# Altium PCB stm32最小系统.PcbDoc
Units mil, origin at the board's own origin, x right, y up, seen from the top; angles counter-clockwise.
Board outline 787.4 x 2003.94 mil, 2 copper layers (Top Layer, Bottom Layer); 35 components, 50 nets, 168 pads, 68 vias.
Unrouted connection lines stored in the file: 1.
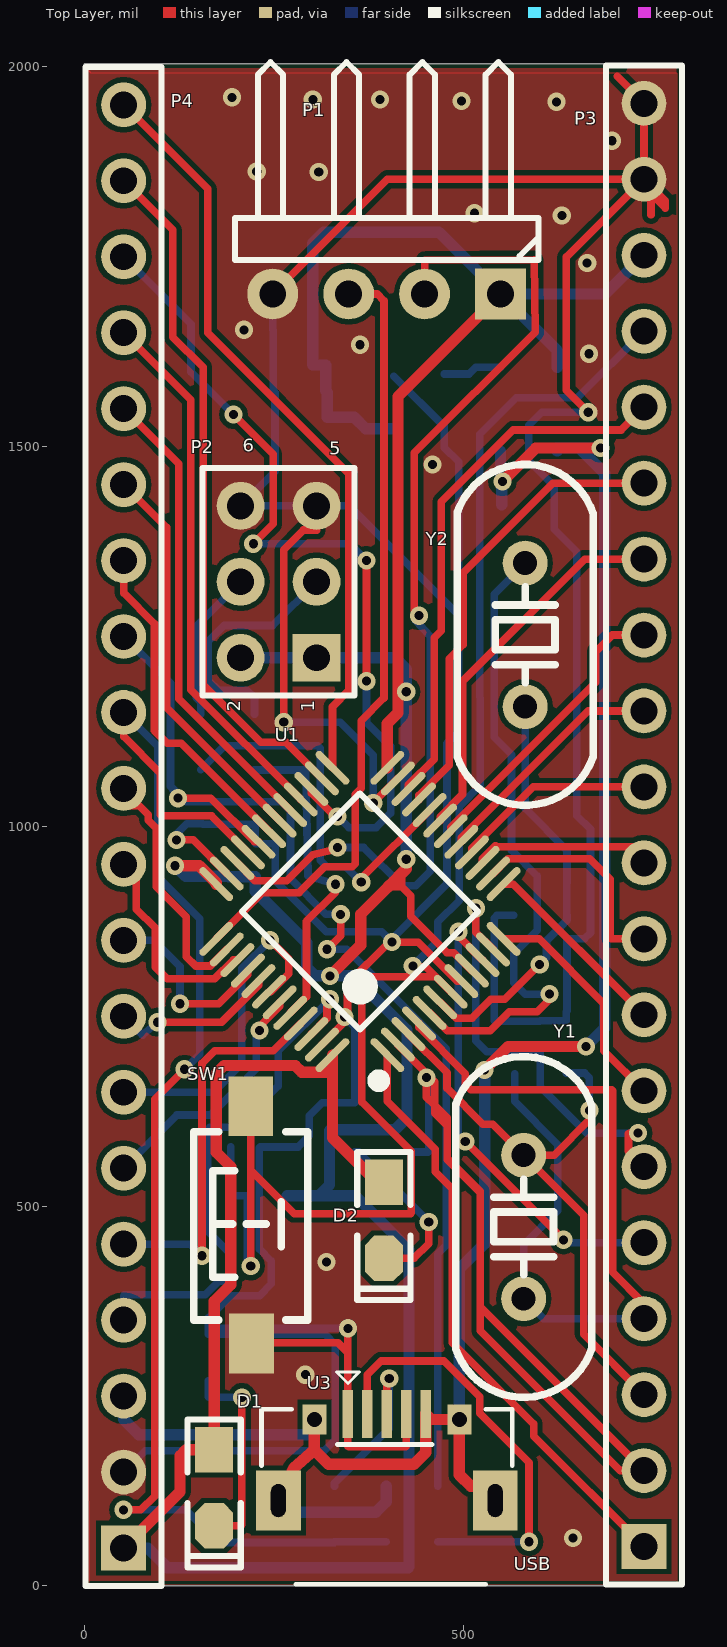
[diagram p0: Top Layer view]
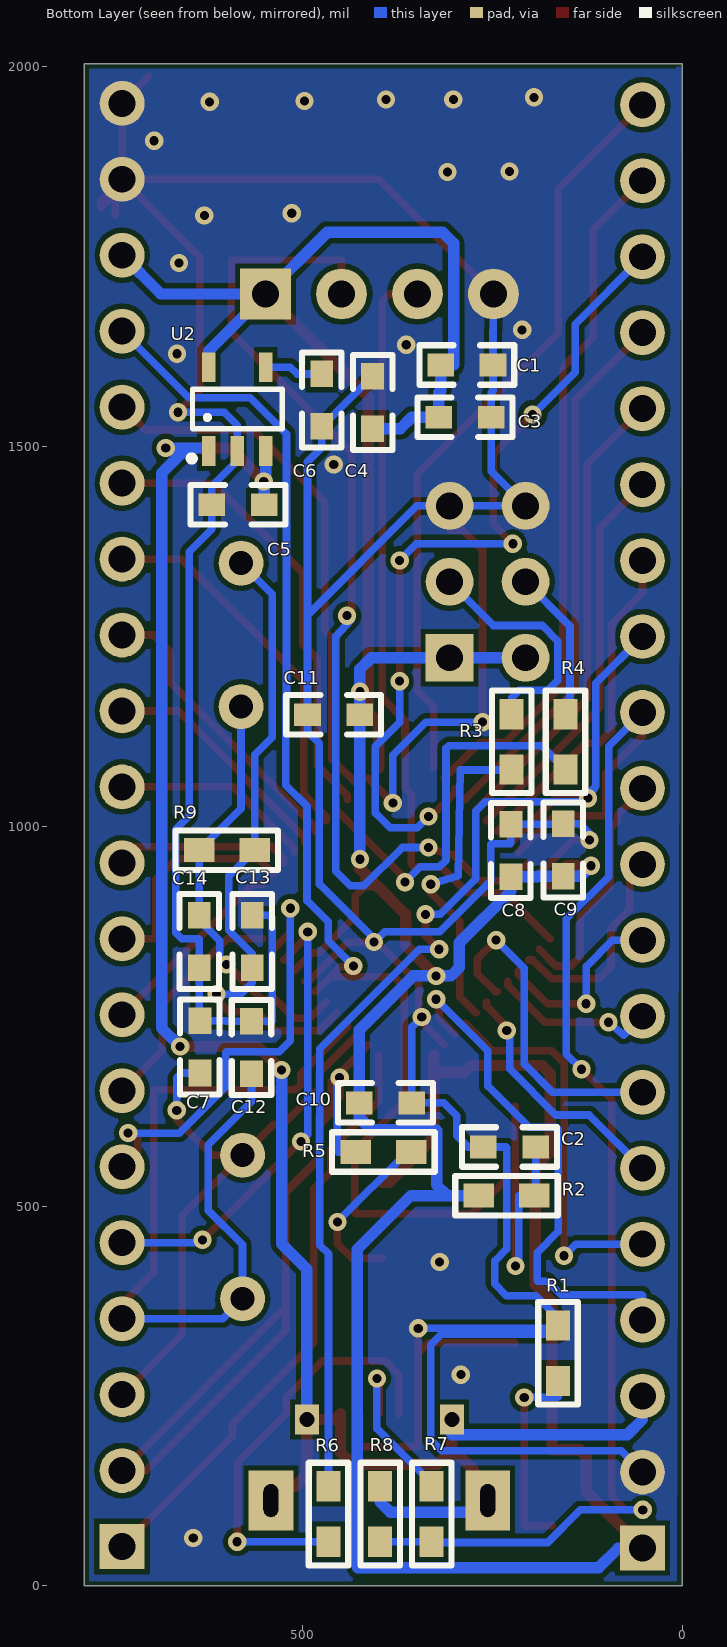
[diagram p1: Bottom Layer view, seen from below]

## Layer stack, top to bottom
Top Solder: solder mask 0.4, Solder Resist, Dk 3.5
Top Layer: signal copper 1.4
Dielectric 1: dielectric 12.6, FR-4, Dk 4.8
Bottom Layer: signal copper 1.4
Bottom Solder: solder mask 0.4, Solder Resist, Dk 3.5

## Board outline
0,0 787.4,0 787.4,2003.94 0,2003.94

## Design rules (kind name [scope] priority, off if disabled: settings)
Clearance [All] p1: gap=6 ignorepadtopadclearanceinfootprint=FALSE except(7: Arc-Poly Track-Poly SMDPad-Poly THPad-Poly Via-Poly Fill-Poly Poly-Poly)
HoleToHoleClearance [All] p1: gap=0 allowstackedmicrovias=TRUE
MinimumSolderMaskSliver [All] p1: minsoldermaskwidth=0
PolygonConnect [All] p1: connectstyle=Direct reliefconductorwidth=10 reliefentries=4 polygonreliefangle="90 Angle" airgapwidth=10
RoutingVias [All] p1: holewidth=12 width=24 viastyle="Through Hole" minholewidth=10 minwidth=20 maxholewidth=13 maxwidth=30
RoutingVias RoutingVias_1 [All] p2: holewidth=12 width=24 viastyle="Through Hole" minholewidth=10 minwidth=12 maxholewidth=13 maxwidth=25
SilkToSilkClearance [All] p1: silktosilkclearance=0
SilkToSolderMaskClearance [IsPad] p1: minsilkscreentomaskgap=0 clearancetoexposedcopper=TRUE
SolderMaskExpansion [All] p1: expansion=4
Width Width_1 [(InNet('5V') OR InNet('VCC3V3'))] p1: maxlimit=20 minlimit=10 preferedwidth=15
Width [All] p2: maxlimit=20 minlimit=5 preferedwidth=10
26 further rules are at their usual default settings.

## Classes and differential pairs
net class NO_GND: 5V BOOT0 BOOT1 NetC6_2 NetD1_2 NetD2_2 NetP2_3 NetP2_4 NetR6_1 NetR7_1 OSCIN OSCOUT PA0 PA1 PA2 PA3 PA4 PA5 PA6 PA7 PA8 PA9 PA10 PA11 PA12 PA15 PB0 PB1 PB3 PB4 PB5 PB6 PB7 PB8 PB9 PB10 PB11 PB12 PB13 PB14 PB15 PC13 PC14 PC15 RESET SWDCLK SWDIO VBAT VCC3V3

## Components (designator, comment, footprint, x,y, rotation, side; value= is the part's Value field where it differs from the comment)
C1 "105,0603" "C 0603" 284.02,1607.28 r0 bottom value=104
C2 "105,0603" "C 0603" 226.91,577.76 r180 bottom value=104
C3 "105,0603" "C 0603" 286.42,1538.39 r0 bottom value=104
C4 "105,0603" "C 0603" 407.48,1557.52 r270 bottom value=104
C5 "105,0603" "C 0603" 584.09,1423.23 r180 bottom value=104
C6 "105,0603" "C 0603" 474.41,1561.47 r90 bottom value=104
C7 "22P,0603" "C 0603" 634.84,710.09 r90 bottom value=104
C8 "105,0603" "C 0603" 225.39,967.52 r270 bottom value=104
C9 "105,0603" "C 0603" 156.5,968.06 r270 bottom value=104
C10 "105,0603" "C 0603" 391.2,635.83 r0 bottom value=104
C11 "105,0603" "C 0603" 458.21,1146.65 r180 bottom value=104
C12 "22P,0603" "C 0603" 566.93,709.11 r90 bottom value=104
C13 "22P,0603" "C 0603" 565.94,848.87 r90 bottom value=104
C14 "22P,0603" "C 0603" 635.83,847.98 r270 bottom value=104
D1 "LED" "LED 0805G" 171.26,129.13 r270 top
D2 "LED" "LED 0805G" 394.68,481.1 r270 top
P1 "SWD" HDR-1X4_H 548.43,1700.79 r180 top
P2 "Header 3X2" HDR-3X2 306.1,1221.85 r90 top
P3 "Header 20" HDR1X20 737.2,51.77 r90 top
P4 "Header 20" HDR1X20 52.17,49.8 r90 top
R1 "10K,0603" "R 0603" 163.39,306.18 r90 bottom
R2 "10K,0603" "R 0603" 231.22,513.78 r0 bottom
R3 "10K,0603" "R 0603" 224.41,1111.14 r90 bottom
R4 "10K,0603" "R 0603" 153.54,1111.14 r270 bottom
R5 "10K,0603" "R 0603" 393.18,571.1 r0 bottom
R6 "20R,0603" "R 0603" 465.55,94.49 r90 bottom
R7 "20R0603" "R 0603" 329.72,94.49 r270 bottom
R8 "4.7K,0603" "R 0603" 397.64,94.49 r270 bottom
R9 "1M0603" "R 0603" 599.33,968.5 r180 bottom
SW1 "SW-PB_V" "TSW SMD-3*6*2.5" 219.49,476.38 r90 top
U1 "stm32f103c8t6_48pin" "TQFP48 7x7_L" 363.19,887.8 r45 top
U2 "RT9193" SOT23-5L 585.63,1549.21 r180 bottom
U3 "USB-mrico" USB-micro_B 398.62,112.2 r0 top
Y1 "32.768K" "XTAL-49S DIP" 578.74,472.44 r90 top
Y2 "8M" "XTAL-49S DIP" 580.71,1251.97 r90 top

## Footprints (in the part's own frame and the unit in brackets; to place one, negate y for a bottom-side part, rotate by r counter-clockwise, add the part's x,y. Pads: shape width x height; smd on the part's side, far side on the other; paste and mask are expansions set on the pad)
"C 0603" [mil] "无极性贴片电容"
  rect 35x30 smd: 1(-35,0) 2(34,0)
  silkscreen extent -63,-26 62,26, body extent -31,-16 31,16, height 32
HDR1X20 [mm] "Connector; Header; 20 Position"
  rect 1.5x1.5 hole 0.9: 1(0,0)
  round 1.5 hole 0.9: 2(2.54,0) 3(5.08,0) 4(7.62,0) 5(10.16,0) 6(12.7,0) 7(15.24,0) 8(17.78,0) 9(20.32,0) 10(22.86,0) 11(25.4,0) 12(27.94,0) 13(30.48,0) 14(33.02,0) 15(35.56,0) 16(38.1,0) 17(40.64,0) 18(43.18,0) 19(45.72,0) 20(48.26,0)
  silkscreen extent -1.27,-1.27 49.53,1.27
HDR-1X4_H [mm] "弯脚排针，4脚"
  rect 1.7x1.7 hole 0.9: 1(0,0)
  round 1.7 hole 0.9: 2(2.54,0) 3(5.08,0) 4(7.62,0)
  silkscreen extent -1.27,-7.76 8.89,-1.14, body extent -1.27,-7.77 8.89,1.27, height 4.85
HDR-3X2 [mm] "双排排针，3x2脚"
  rect 1.6x1.6 hole 0.9: 1(0,0)
  round 1.6 hole 0.9: 2(0,2.54) 3(2.54,0) 4(2.54,2.54) 5(5.08,0) 6(5.08,2.54)
  silkscreen extent -1.27,-1.27 6.35,3.81, body extent -1.27,-1.27 6.35,3.81, height 8.5
"LED 0805G" [mil] "绿色0805LED"
  rect 60x50 smd: 1(-50,0)
  oct 60x50 smd: 2(50,0)
  silkscreen extent -90,-35 105,35, body extent -39,-25 39,25, height 32
"R 0603" [mil] "1/10W贴片电阻"
  rect 40x31.5 smd: 1(-36.5,0) 2(36.5,0)
  silkscreen extent -67,-26 68,26, body extent -31,-16 31,16, height 16
SOT23-5L [mm] "3x1.6x1.1mm(长宽高)"
  rect 0.45x1 smd: 1(-0.95,-1.4) 2(0,-1.4) 3(0.95,-1.4) 4(0.95,1.4) 5(-0.95,1.4)
  silkscreen extent -1.6,-1.73 1.5,0.66, body extent -1.5,-1.4 1.5,1.4, height 1.15
"TQFP48 7x7_L" [mm] "48脚，体宽：7x7mm, 脚距：0.5mm"
  oval 0.25x1.5 smd: 1(-2.75,-4.046) 2(-2.25,-4.046) 3(-1.75,-4.046) 4(-1.25,-4.046) 5(-0.75,-4.046) 6(-0.25,-4.046) 7(0.25,-4.046) 8(0.75,-4.046) 9(1.25,-4.046) 10(1.75,-4.046) 11(2.25,-4.046) 12(2.75,-4.046) 25(2.75,4.046) 26(2.25,4.046) 27(1.75,4.046) 28(1.25,4.046) 29(0.75,4.046) 30(0.25,4.046) 31(-0.25,4.046) 32(-0.75,4.046) 33(-1.25,4.046) 34(-1.75,4.046) 35(-2.25,4.046) 36(-2.75,4.046)
  oval 1.5x0.25 smd: 13(4.046,-2.75) 14(4.046,-2.25) 15(4.046,-1.75) 16(4.046,-1.25) 17(4.046,-0.75) 18(4.046,-0.25) 19(4.046,0.25) 20(4.046,0.75) 21(4.046,1.25) 22(4.046,1.75) 23(4.046,2.25) 24(4.046,2.75) 37(-4.046,2.75) 38(-4.046,2.25) 39(-4.046,1.75) 40(-4.046,1.25) 41(-4.046,0.75) 42(-4.046,0.25) 43(-4.046,-0.25) 44(-4.046,-0.75) 45(-4.046,-1.25) 46(-4.046,-1.75) 47(-4.046,-2.25) 48(-4.046,-2.75)
  silkscreen extent -3.68,-4.57 2.79,2.79, body extent -4.5,-4.5 4.5,4.5, height 1.05
"TSW SMD-3*6*2.5" [mm] "3*6*2.5mm"
  rect 2x1.5 smd: 1(-3.996,-0.02) 2(3.937,0)
  silkscreen extent -3.21,-1.9 3.09,1.9, body extent -4,-1.88 4,1.62, height 2.59
USB-micro_B [mm] "micro型USB ，5.7*7.8*2.5mm"
  rect 0.35x1.6 smd: 1(-1.3,2.9) 2(-0.65,2.9) 3(0,2.9) 4(0.65,2.9) 5(1.3,2.9)
  rect 1.5x2 hole 0.5 slot 1.1 at 90 deg: 5(-3.625,0) 5(3.625,0)
  rect 0.8x1 hole 0.5: 5(-2.425,2.71) 5(2.425,2.71)
  silkscreen extent -4.19,-2.79 4.19,4.3, body extent -4,-2.71 4,2.89, height 2.8
"XTAL-49S DIP" [mm]
  round 1.5 hole 0.8: 1(-2.4,0) 2(2.4,0)
  silkscreen extent -5.7,-2.28 5.7,2.28, body extent -5.68,-2.35 5.68,2.3, height 3.5

## Part data
C1 C2 C3 C4 C5 C6 C7 C8 C9 C10 C11 C12 C13 C14: library part Cap, "Capacitor", LatestRevisionDate=17-Jul-2002, LatestRevisionNote="Re-released for DXP Platform.", Published=8-Jun-2000, Publisher="Altium Limited"
P1: library part "Header 4", "Header, 4-Pin", LatestRevisionDate=17-Jul-2002, LatestRevisionNote="Re-released for DXP Platform.", Publisher="Altium Limited"
P2: "Header, 3-Pin, Dual row", LatestRevisionDate=17-Jul-2002, LatestRevisionNote="Re-released for DXP Platform.", Publisher="Altium Limited"
P3 P4: "Header, 20-Pin", LatestRevisionDate=17-Jul-2002, LatestRevisionNote="Re-released for DXP Platform.", Publisher="Altium Limited"
R1 R2 R3 R4 R5 R6 R7 R8 R9: library part Res2, "Resistor", LatestRevisionDate=17-Jul-2002, LatestRevisionNote="Re-released for DXP Platform.", Published=8-Jun-2000, Publisher="Altium Limited"
SW1: "SWITCH"
U2: library part RT9193X_5P, ICA_MFR_NAME=RICHTEK, ICA_PARTNUM=$$2191094$$RT9193-15CU5, Part Number=TMP-13
U3: library part usb-STM
Y1 Y2: library part XTAL, "Crystal Oscillator", LatestRevisionDate=17-Jul-2002, LatestRevisionNote="Re-released for DXP Platform.", Published=8-Jun-2000, Publisher="Altium Limited"

## Via types
v1: diameter 24, hole 12, Top Layer to Bottom Layer, 50 vias
v2: diameter 24, hole 12, Top Layer to Bottom Layer, tented bottom, 18 vias

## Nets (pads, with @x,y where several pads share a name; then routed paths per layer and width w, separated by ;. In a path a pad name is that pad's centre, name@x,y a point inside that pad or via, vN(x,y) a via of type N, cw(c..) or ccw(c..) an arc to the next point about the centre after c; other vN are vias at no path point)
5V: C5.2 P4.3 R8.1 U2.1 U2.3 U3.5 | length 2737.9
  Top Layer w15: U3.5@255.91,112.2 276.15,155 303.15,178.7 ; U3.5@303.15,218.9 303.15,178.7 ; v1(527.35,679) 558.35,710 v1(660.85,710) ; U3.5@541.34,112.2 541.34,131 509.35,131 494.09,146.26 494.09,218.9 457.28,218.9 449.8,226.38 449.8,175.45 434.35,160 321.85,160 303.15,178.7 ; v1(550.85,1454) 594.85,1498 v1(679.85,1498)
  Bottom Layer w15: P4.3 52.17,219 72.17,199 303.15,199 U3.5@303.15,218.9 ; U3.5@255.91,112.2 255.91,97 384.35,97 397.64,110.29 R8.1 ; U3.5@494.09,218.9 494.09,417 527.35,450.26 v1(527.35,679) ; U2.3 v1@548.23,1458.87 ; C5.2 v1@550.09,1455.4 ; v1(550.85,1454) v1@550.09,1455.4 ; U2.1 623.03,1498 652.09,1498 ; v1(660.85,710) 685.33,734.48 685.33,1464.76 652.09,1498 ; v1(679.85,1498) 652.09,1498 ; v1@548.23,1458.87 v1@550.09,1455.4 ; v1@548.23,1458.87 550.09,1457 v1@550.09,1455.4
BOOT0: R3.1 U1.44 | length 439.1
  Top Layer w10: U1.44 292.85,775.7 292.85,874.65 330.94,912.74 v1(330.94,923.59)
  Bottom Layer w10: R3.1 224.41,1074 291.85,1074 294.85,934.68 v1(330.94,923.59)
BOOT1: R4.2 U1.20 | length 517.1
  Top Layer w10: v1(364.96,926.39) 364.96,931.32 U1.20
  Bottom Layer w10: R4.2 184.9,1106 307.35,1106 310.85,1102.5 310.85,955.5 319.76,946.59 344.76,946.59 v1(364.96,926.39)
GND: C1.1 C2.1 C3.1 C4.1 C5.1 C6.1 C7.2 C8.1 C9.1 C10.1 C11.1 C12.2 C13.2 C14.2 P1.4 P2.5 P2.6 P3.19 P3.20 P4.2 R1.2 SW1.1 U1.8 U1.23 U1.35 U1.47 U2.2 U3.1 U3.4 | length 6969.4
  Top Layer w10: v1(121.85,982.06) 143.65,982.06 U1.35 ; SW1.1 220.27,320 334.35,320 347.44,306.91 ; P1.4 399.41,1851.77 P3.19 ; v1(262.85,1137) 262.85,1364 288.85,1390 306.1,1390 P2.5 ; U1.47 v1@345.85,745.18 ; v1(342.85,749) 344.03,749 345.85,747.18 v1@345.85,745.18 ; v1(347.44,339) 347.44,306.91 ; v1(380.85,1030.73) U1.23 ; U3.4 424.21,184 423.21,183 348.44,183 347.44,184 U3.1 347.44,306.91 ; U1.8 491.49,796.04 440.09,847.44 v1(405.51,847.44) 401.66,847.44 346.85,792.63 346.85,746.18 v1@345.85,745.18 ; v1(663.85,1545) 634.85,1574 634.85,1749.42 P3.19 ; 702.09,1987.2 737.2,1952.09 P3.20 P3.19 ; 746.48,1805.12 P3.19@746.48,1832.89 ; P3.19 P3.19@746.48,1842.5 ; P3.19 737.2,1842.17 P3.19@746.48,1832.89 ; P3.19@746.48,1832.89 765.4,1813.98 765.4,1823.58 P3.19@746.48,1842.5 ; P3.19@746.48,1832.89 P3.19@746.48,1842.5
  Bottom Layer w10: P4.2 80.36,178 316.35,178 330.85,192.5 330.85,317.5 317.35,331 163.39,331 R1.2@163.39,339 ; v1(121.85,982.06) 121.85,989.94 134.96,1003.06 C9.1 156.5,1002.52 C8.1 225.39,978 226.39,977 250.85,977 251.85,976 251.85,928 318.85,861 368.87,861 369.09,861.22 391.73,861.22 v1(405.51,847.44) 405.51,851.66 477.85,924 477.85,1109 493.21,1124.36 C11.1 493.21,1278 ; P1.4 248.42,1653.59 249.02,1653 C1.1 249.02,1573.4 251.42,1571 C3.1 251.42,1467.16 P2.6 P2.5 349.36,1421.85 493.21,1278 ; v1(262.85,1137) 337.35,1137 380.85,1093.5 v1(380.85,1030.73) ; v1(342.85,749) 356.2,735.65 C10.1 313.58,635.83 296.61,618.85 296.61,592.5 281.86,577.76 C2.1 231.85,577.76 230.85,576.76 230.85,443.45 246.7,427.61 246.7,397.45 231.24,382 192.85,382 163.39,352.54 R1.2 R1.2@163.39,339 ; v1(347.44,339) R1.2@163.39,339 ; C4.1 407.85,1592.52 473.9,1526.47 C6.1 474.41,1498.44 493.21,1479.64 493.21,1278 ; C13.2 543.72,882.87 539.85,879 539.85,744.11 540.85,743.11 C12.2 599.85,743.11 600.83,744.09 C7.2 634.84,756 635.85,757.01 C14.2 635.83,851 636.83,852 658.83,852 666.83,860 666.83,996 648.85,1013.98 648.85,1361.24 619.09,1391 C5.1 619.09,1447.76 585.63,1481.22 U2.2 585.63,1528 602.63,1545 v1(663.85,1545)
  other v2: 643.7,62.99 291.34,278 319.18,426.18 458.73,1476.38 664.89,1622.05 363.19,1633.86 210.63,1653.54 662.4,1741.49 629.07,1804.13 514,1807.09 309.06,1861.22 227.36,1862.13 695.07,1902.56 622.05,1953.74 497.05,1954.72 301.18,1956.69 389.76,1956.69 194.88,1959.65
NetC6_2: C6.2 U2.4 | length 77.5
  Bottom Layer w10: C6.2 506.85,1595.47 515.71,1604.33 U2.4
NetD1_2: D1.2 R1.1 | length 270.4
  Top Layer w10: D1.2 206.85,79.13 207.85,80.13 v1(207.85,248)
  Bottom Layer w10: R1.1 163.39,249 164.39,248 v1(207.85,248)
NetD2_2: D2.2 R5.1 | length 231
  Top Layer w10: D2.2 434.35,431.1 453.85,450.6 v1(453.85,479)
  Bottom Layer w10: R5.1 361.75,571.1 v1(453.85,479)
NetP2_3: P2.3 R3.2 | length 317.9
  Bottom Layer w10: R3.2 224.41,1169 214.41,1179 177.11,1179 163.61,1192.5 163.61,1243.6 184.35,1264.35 248.6,1264.35 P2.3
NetP2_4: P2.4 R4.1 | length 200.9
  Bottom Layer w10: R4.1 153.54,1163.35 147.61,1169.29 147.61,1263.35 P2.4
NetR6_1: R6.1 U3.2 | length 564.4
  Top Layer w10: U3.2 373.03,278 391.03,296 473.44,296 520.85,248.59 520.85,227 585.85,162 v1(585.85,58)
  Bottom Layer w10: R6.1 v1(585.85,58)
NetR7_1: R7.1 U3.3 | length 219.8
  Top Layer w10: U3.3 398.62,269.77 v1(401.85,273)
  Bottom Layer w10: R7.1 329.72,135 401.85,207.13 v1(401.85,273)
OSCIN: C13.1 R9.2 U1.5 Y2.2 | length 850.4
  Top Layer w10: U1.5 478.23,731 534.73,731 559.73,756 596.85,756 612.85,772 v1(612.85,779)
  Bottom Layer w10: Y2.2 539.85,1305.6 539.85,1117 562.83,1094.02 R9.2 596.85,934.48 596.85,863 565.94,832.09 C13.1 565.94,794 580.94,779 v1(612.85,779)
OSCOUT: C14.1 R9.1 U1.6 Y2.1 | length 546.9
  Top Layer w10: U1.6 490.06,747 510.72,747 535.72,772 553.85,772 v1(599.85,818)
  Bottom Layer w10: Y2.1 580.71,1023.38 635.59,968.5 R9.1 635.83,925.21 635.59,924.98 635.59,882.98 C14.1 635.83,875.98 608.85,849 608.85,827 v1(599.85,818)
PA0: P3.5 U1.10 | length 620.5
  Top Layer w10: v1(492.85,861) 492.85,855.57 U1.10 ; v1(501.85,585) v1(631.35,455.5)
  Bottom Layer w10: v1(492.85,861) 492.85,594 v1(501.85,585) ; v1(631.35,455.5) 635.08,451.77 P3.5
PA1: P3.6 U1.11 | length 592.8
  Top Layer w10: v1(515.85,892) 515.85,860.41 U1.11 ; v1(729.35,596) 717.85,596 716.85,595 716.85,572.13 P3.6
  Bottom Layer w10: v1(515.85,892) 515.85,717.5 530.35,703 599.85,703 600.85,702 600.85,657 661.85,596 v1(729.35,596)
PA2: P3.7 U1.12 | length 303.9
  Top Layer w10: U1.12 599.13,851.72 684.29,766.56 684.29,704.68 P3.7
PA3: P3.8 U1.13 | length 256.1
  Top Layer w10: U1.13 565.1,923.87 P3.8
PA4: P3.9 U1.14 | length 295.7
  Top Layer w10: U1.14 557.87,957.2 665.65,957.2 692.85,930 692.85,852.77 693.85,851.77 P3.9
PA5: P3.10 U1.15 | length 246.9
  Top Layer w10: U1.15 524.54,957.03 541.67,974.16 542.62,973.2 737.2,973.2 P3.10
PA6: P3.11 U1.16 | length 265.4
  Top Layer w10: U1.16 510.62,970.95 591.44,1051.77 P3.11
PA7: P3.12 U1.17 | length 315
  Top Layer w10: U1.17 496.7,984.87 663.6,1151.77 P3.12
PA8: P4.16 U1.29 | length 619.3
  Top Layer w10: P4.16 124.69,1477.28 124.69,1168.05 U1.29
PA9: P4.15 U1.30 | length 527.5
  Top Layer w10: P4.15 108.69,1393.28 108.69,1156.21 U1.30
PA10: P4.14 U1.31 | length 446.4
  Top Layer w10: P4.14 52.17,1307.12 92.69,1266.59 92.69,1126.04 109.35,1109.39 127.68,1109.39 U1.31
PA11: P4.13 R6.2 U1.32 | length 1562.2
  Top Layer w10: v1(123.85,1037) 167.01,1037 224.46,979.55 U1.32 ; v1(319.85,838) 337.85,856 v1(337.85,884)
  Bottom Layer w10: P4.13 113.85,1188.12 113.85,1052.5 ; v1(123.85,1037) 113.85,1052.5 ; v1(319.85,838) 345.85,838 476.85,707 476.85,448.3 465.55,437 R6.2 ; v1(337.85,884) 318.48,884 271.85,930.63 271.85,1019.5 259.35,1032 134.35,1032 113.85,1052.5
PA12: P4.12 R7.2 R8.2 U1.33 | length 1801.5
  Top Layer w10: v1(51.85,100) 74.85,100 92.85,118 92.85,640.5 v1(132.35,680) ; P4.12 52.17,1118.19 100.5,1069.86 100.5,1014.99 101.85,1013.64 167.75,1013.64 U1.33
  Bottom Layer w10: v1(51.85,100) 133.85,100 176.85,57 329.72,57 R7.2 R8.2 ; P4.12 96.85,1105.12 96.85,933.76 152.35,878.26 152.35,700 v1(132.35,680)
PA15: P4.11 U1.38 | length 335.2
  Top Layer w10: P4.11 52.17,1027 72.85,1027 84.5,1015.35 84.5,1007.99 94.85,997.64 94.85,920.18 134.35,880.68 134.35,828.5 146.85,816 166.12,816 U1.38
PB0: P3.13 U1.18 | length 388
  Top Layer w10: U1.18 482.78,998.79 673.85,1189.86 673.85,1230 695.62,1251.77 P3.13
PB1: P3.14 U1.19 | length 501.3
  Top Layer w10: U1.19 468.86,1012.71 498.26,1042.11 498.26,1190.91 659.12,1351.77 P3.14
PB3: P4.10 U1.39 | length 287.1
  Top Layer w10: P4.10 68.85,949.8 68.85,891 93.69,866.16 93.69,814.66 109.35,799 171.75,799 196.63,823.88 U1.39
PB4: P4.9 U1.40 | length 248.1
  Top Layer w10: v1(126.35,766.27) 177.39,766.27 215.75,804.64 U1.40
  Bottom Layer w10: P4.9 91.85,849.8 126.35,815.3 v1(126.35,766.27)
PB5: P4.8 U1.41 | length 219.6
  Top Layer w10: v1(96.85,742) 180.96,742 229.67,790.72 U1.41
  Bottom Layer w10: P4.8 76.97,725 v1(96.85,742)
PB6: P4.7 U1.42 | length 439.5
  Top Layer w10: U1.42 245.67,782.12 269.59,806.04 269.59,825.26 v1(244.85,850)
  Bottom Layer w10: P4.7 170.65,649.8 207.85,687 207.85,813 v1(244.85,850)
PB7: P4.6 U1.43 | length 330.9
  Top Layer w10: v1(230.85,731) 230.85,736.22 257.51,762.88 U1.43
  Bottom Layer w10: P4.6 122.16,619.8 166.09,619.8 226.85,680.55 226.85,730 227.85,731 v1(230.85,731)
PB8: P4.5 U1.45 | length 514.6
  Top Layer w10: v1(155.35,434.5) 155.35,687.84 171.85,704.34 249.33,704.34 U1.45
  Bottom Layer w10: P4.5 140.05,449.8 v1(155.35,434.5)
PB9: P4.4 U1.46 | length 706.4
  Top Layer w10: U1.46 319.85,747.02 319.85,771.3 320.85,772.3 v1(323.85,772.3)
  Bottom Layer w10: P4.4 52.17,382 53.17,383 159.35,383 177.35,401 189.85,401 190.85,402 190.85,438.5 162.85,466.5 162.85,600.8 165.85,603.8 201.52,603.8 255.75,658.03 255.75,704.21 v1(323.85,772.3)
PB10: P3.15 U1.21 | length 609.5
  Top Layer w10: U1.21 441.03,1040.55 480.56,1080.09 480.56,1220.64 499.23,1239.31 499.23,1333.85 617.15,1451.77 P3.15
PB11: P3.16 U1.22 | length 714.3
  Top Layer w10: U1.22 427.11,1054.47 460.98,1088.35 460.98,1248 470.35,1257.37 470.35,1427.05 565.01,1521.71 707.14,1521.71 P3.16
PB12: P4.20 U1.25 | length 1004.5
  Top Layer w10: P4.20 162.97,1839 162.97,1649.63 348.6,1464 348.6,1179 327.11,1157.51 U1.25
PB13: P4.19 U1.26 | length 914.2
  Top Layer w10: P4.19 116.85,1785.12 116.85,1644 156.85,1604 156.85,1186.36 232.81,1110.4 265.86,1110.4 U1.26
PB14: P4.18 U1.27 | length 1110.9
  Top Layer w10: v1(196.85,1542) 248.85,1490 248.85,1398 v1(222.85,1372) ; U1.27 299.27,1043.83 330.1,1013 v1(333.85,1013) ; v1(371.85,1191) v1(371.85,1350)
  Bottom Layer w10: P4.18 140.85,1661.12 140.85,1598 v1(196.85,1542) ; v1(222.85,1372) 349.85,1372 v1(371.85,1350) ; v1(333.85,1013) 348.85,998 384.35,998 403.85,1017.5 403.85,1105 371.85,1137 v1(371.85,1191)
PB15: P4.17 U1.28 | length 711.2
  Top Layer w10: P4.17 140.69,1561.28 140.69,1179.89 U1.28
PC13: P3.2 R5.2 U1.2 | length 1278.4
  Top Layer w10: U1.2 461.88,663.83 461.88,632.4 ; v1(450.85,669) 450.85,643.43 461.88,632.4 ; 461.88,632.4 461.88,622 478.35,605.53 ; 461.88,632.4 478.35,615.93 478.35,605.53 ; 478.35,562.62 478.35,605.53 ; 478.35,562.62 478.35,561.12 521.85,517.62 ; 478.35,562.62 521.85,519.12 521.85,517.62 ; 521.85,367.13 521.85,517.62 ; 521.85,367.13 521.85,336 706.08,151.77 P3.2 521.85,367.13
  Bottom Layer w10: R5.2 452.85,571.1 453.85,572.1 453.85,666 v1(450.85,669)
PC14: C7.1 P3.3 U1.3 Y1.2 | length 805.1
  Top Layer w10: U1.3 477.88,675.67 477.88,655 525.06,607.82 537.85,607.82 Y1.2 ; v1(665.35,626) 665.35,613.5 618.78,566.93 Y1.2 ; P3.3 657.85,331.13 657.85,487.82 Y1.2
  Bottom Layer w10: C7.1 659.35,675.09 665.35,669.09 v1(665.35,626)
PC15: C12.1 P3.4 U1.4 Y1.1 | length 1128
  Top Layer w10: U1.4 441.03,735.15 501.85,674.33 501.85,660 508.85,653 694.85,653 695.85,652 695.85,413 737.2,371.65 P3.4
  Bottom Layer w10: C12.1 566.93,637.72 623.85,580.8 623.85,494.11 578.74,449 Y1.1 604.92,351.77 P3.4
RESET: C2.2 P3.17 R2.1 SW1.2 U1.7 | length 2126.7
  Top Layer w10: v1(219.49,421) 219.49,547.36 ; SW1.2 219.49,547.36 ; v1(432.85,816) 433.85,815 449.9,815 U1.7@462.9,802 ; U1.7 U1.7@462.9,802 ; 219.49,547.36 276.85,490 429.85,490 430.85,491 430.85,572 365.85,637 365.85,789 378.85,802 U1.7@462.9,802
  Bottom Layer w10: C2.2 192.91,515.58 R2.1 214.85,513.78 214.85,425.64 v1(219.49,421) ; v1(432.85,816) 465.91,849.06 465.91,874.06 493.85,902 493.85,1026 521.85,1054 521.85,1169 520.85,1170 520.85,1516 568.85,1564 649.43,1564 P3.17
SWDCLK: P1.3 U1.37 | length 1031
  Top Layer w10: U1.37 234.78,912.5 282.94,912.5 317.03,946.59 353.04,946.59 356.85,950.39 356.85,1042 364.85,1050 364.85,1138.87 394.85,1168.87 394.85,1691.79 385.85,1700.79 P1.3
SWDIO: P1.2 U1.34 | length 1381.4
  Top Layer w10: U1.34 225.05,928.5 266.94,928.5 301.03,962.59 333.85,970.5 v1(333.85,972) ; v1(441.1,1277.25) 434.85,1283.5 434.85,1491.5 593.85,1650.5 592.85,1746 448.42,1745 P1.2
  Bottom Layer w10: v1(333.85,972) 368.48,972 418.98,921.5 436.67,921.5 455.85,940.68 455.85,1250 435.85,1272 v1(441.1,1277.25)
VBAT: P3.1 U1.1 | length 786.8
  Top Layer w10: U1.1 399.27,638.01 462.35,574.93 462.35,545.12 484.85,522.62 484.85,320.13 591.97,213.01 591.97,197.01 P3.1
VCC3V3: C1.2 C3.2 C4.2 C8.2 C9.2 C10.2 C11.2 D1.1 D2.1 P1.1 P2.1 P2.2 P3.18 P4.1 R2.2 U1.9 U1.24 U1.36 U1.48 U2.5 | length 5397.5
  Top Layer w10: 400.05,919.83 400.49,920.28 418.31,920.28 ; 406.94,926.72 411.86,926.72 418.26,920.33 ; 418.26,938.04 418.26,920.33 ; U1.9 486.92,833.66 477.88,833.66 430.12,881.42 430.12,908.46 418.31,920.28 ; 418.26,920.33 418.31,920.28
  Top Layer w15: P4.1 126.28,123.92 126.28,171.07 134.35,179.13 D1.1 171.26,374.41 193.35,396.5 193.35,551.5 173.85,571 173.85,674.5 184.35,685 277.85,685 286.85,676 326.11,676 327.11,677 ; v1(119.85,948) 151.55,948 174,925.55 U1.36 ; v1(323.85,803) 364.1,843.25 364.1,883.89 400.05,919.83 ; U1.48 327.11,677 ; D2.1 386.01,531.1 327.11,590 327.11,677 ; U1.24 399.27,1135.29 413.35,1149.37 v1@413.35,1177 ; 400.49,920.28 406.94,926.72 418.26,938.04 424.21,944 v1(424.21,956.5) ; v1(424.21,1177) v1@413.35,1177 ; P1.1 413.35,1565.71 v1@413.35,1177
  Bottom Layer w15: P4.1 83.85,49.8 109.65,24 426.85,24 427.85,25 427.85,442.78 356.85,513.78 309.35,513.78 ; v1(119.85,948) 133.79,934.06 C9.2 189.85,934.06 190.39,933.52 C8.2 225.39,914.46 293.32,846.53 293.32,814 304.32,803 v1(323.85,803) ; P2.2 P2.1 409.35,1221.85 424.21,1206.99 v1(424.21,1177) C11.2 v1(424.21,956.5) ; R2.2 309.35,513.78 ; 336.35,803 354.12,803 425.2,731.92 C10.2 425.2,616.2 409.35,600.35 324.53,600.35 323.18,599 323.18,527.61 309.35,513.78 ; C4.2 370.72,1523.52 355.85,1538.39 C3.2 320.42,1571 318.02,1573.4 C1.2 300.85,1607.28 300.85,1767.5 315.35,1782 467.21,1782 P1.1 ; U2.5 623.03,1626.18 P1.1 ; P3.18 686.22,1700.79 P1.1

## Polygon pours and split planes (outlines as drawn)
no net on Top Layer "Top Layer-No Net" (solid, remove dead copper, pour order 8): 0.98,2000 8.86,1992.13 780.51,1992.13 780.51,1.97 781.5,0.98 6.89,0.98
GND on Top Layer "Top Layer-GND" (solid, remove dead copper, pour order 6): 0,2005.91 7.87,1998.03 779.53,1998.03 779.53,7.87 780.51,6.89 5.91,6.89
GND on Bottom Layer "Bottom Layer-GND" (solid, remove dead copper, pour order 4): 0.98,2004.92 8.86,1997.05 780.51,1997.05 780.51,6.89 781.5,5.91 6.89,5.91

## Silkscreen, mask and mechanical layers (free items; w line width, h text height)
Mechanical 1:
  lines w10: 0,0 0,787.4 0,2003.94 787.4,2003.94 787.4,787.4 787.4,0 0,0

## Text inside footprints (layer, text, board x,y; h text height)
P2: Top Overlay "1" at 309.06,1150.59 h30 r90; Top Overlay "2" at 211.61,1150.59 h30 r90; Top Overlay "5" at 322.83,1483.27 h30; Top Overlay "6" at 208.66,1487.2 h30
U3: Top Overlay "USB" at 565.94,14.76 h30